# Altium PCB touch-2ch-v4.PcbDoc (part 8 of 8)
Units mm, origin at the board's own origin, x right, y up, seen from the top; angles counter-clockwise.
Board outline 39.88 x 84.36 mm, 2 copper layers (Top Layer, Bottom Layer); 1029 components, 40 nets, 2604 pads, 0 vias.
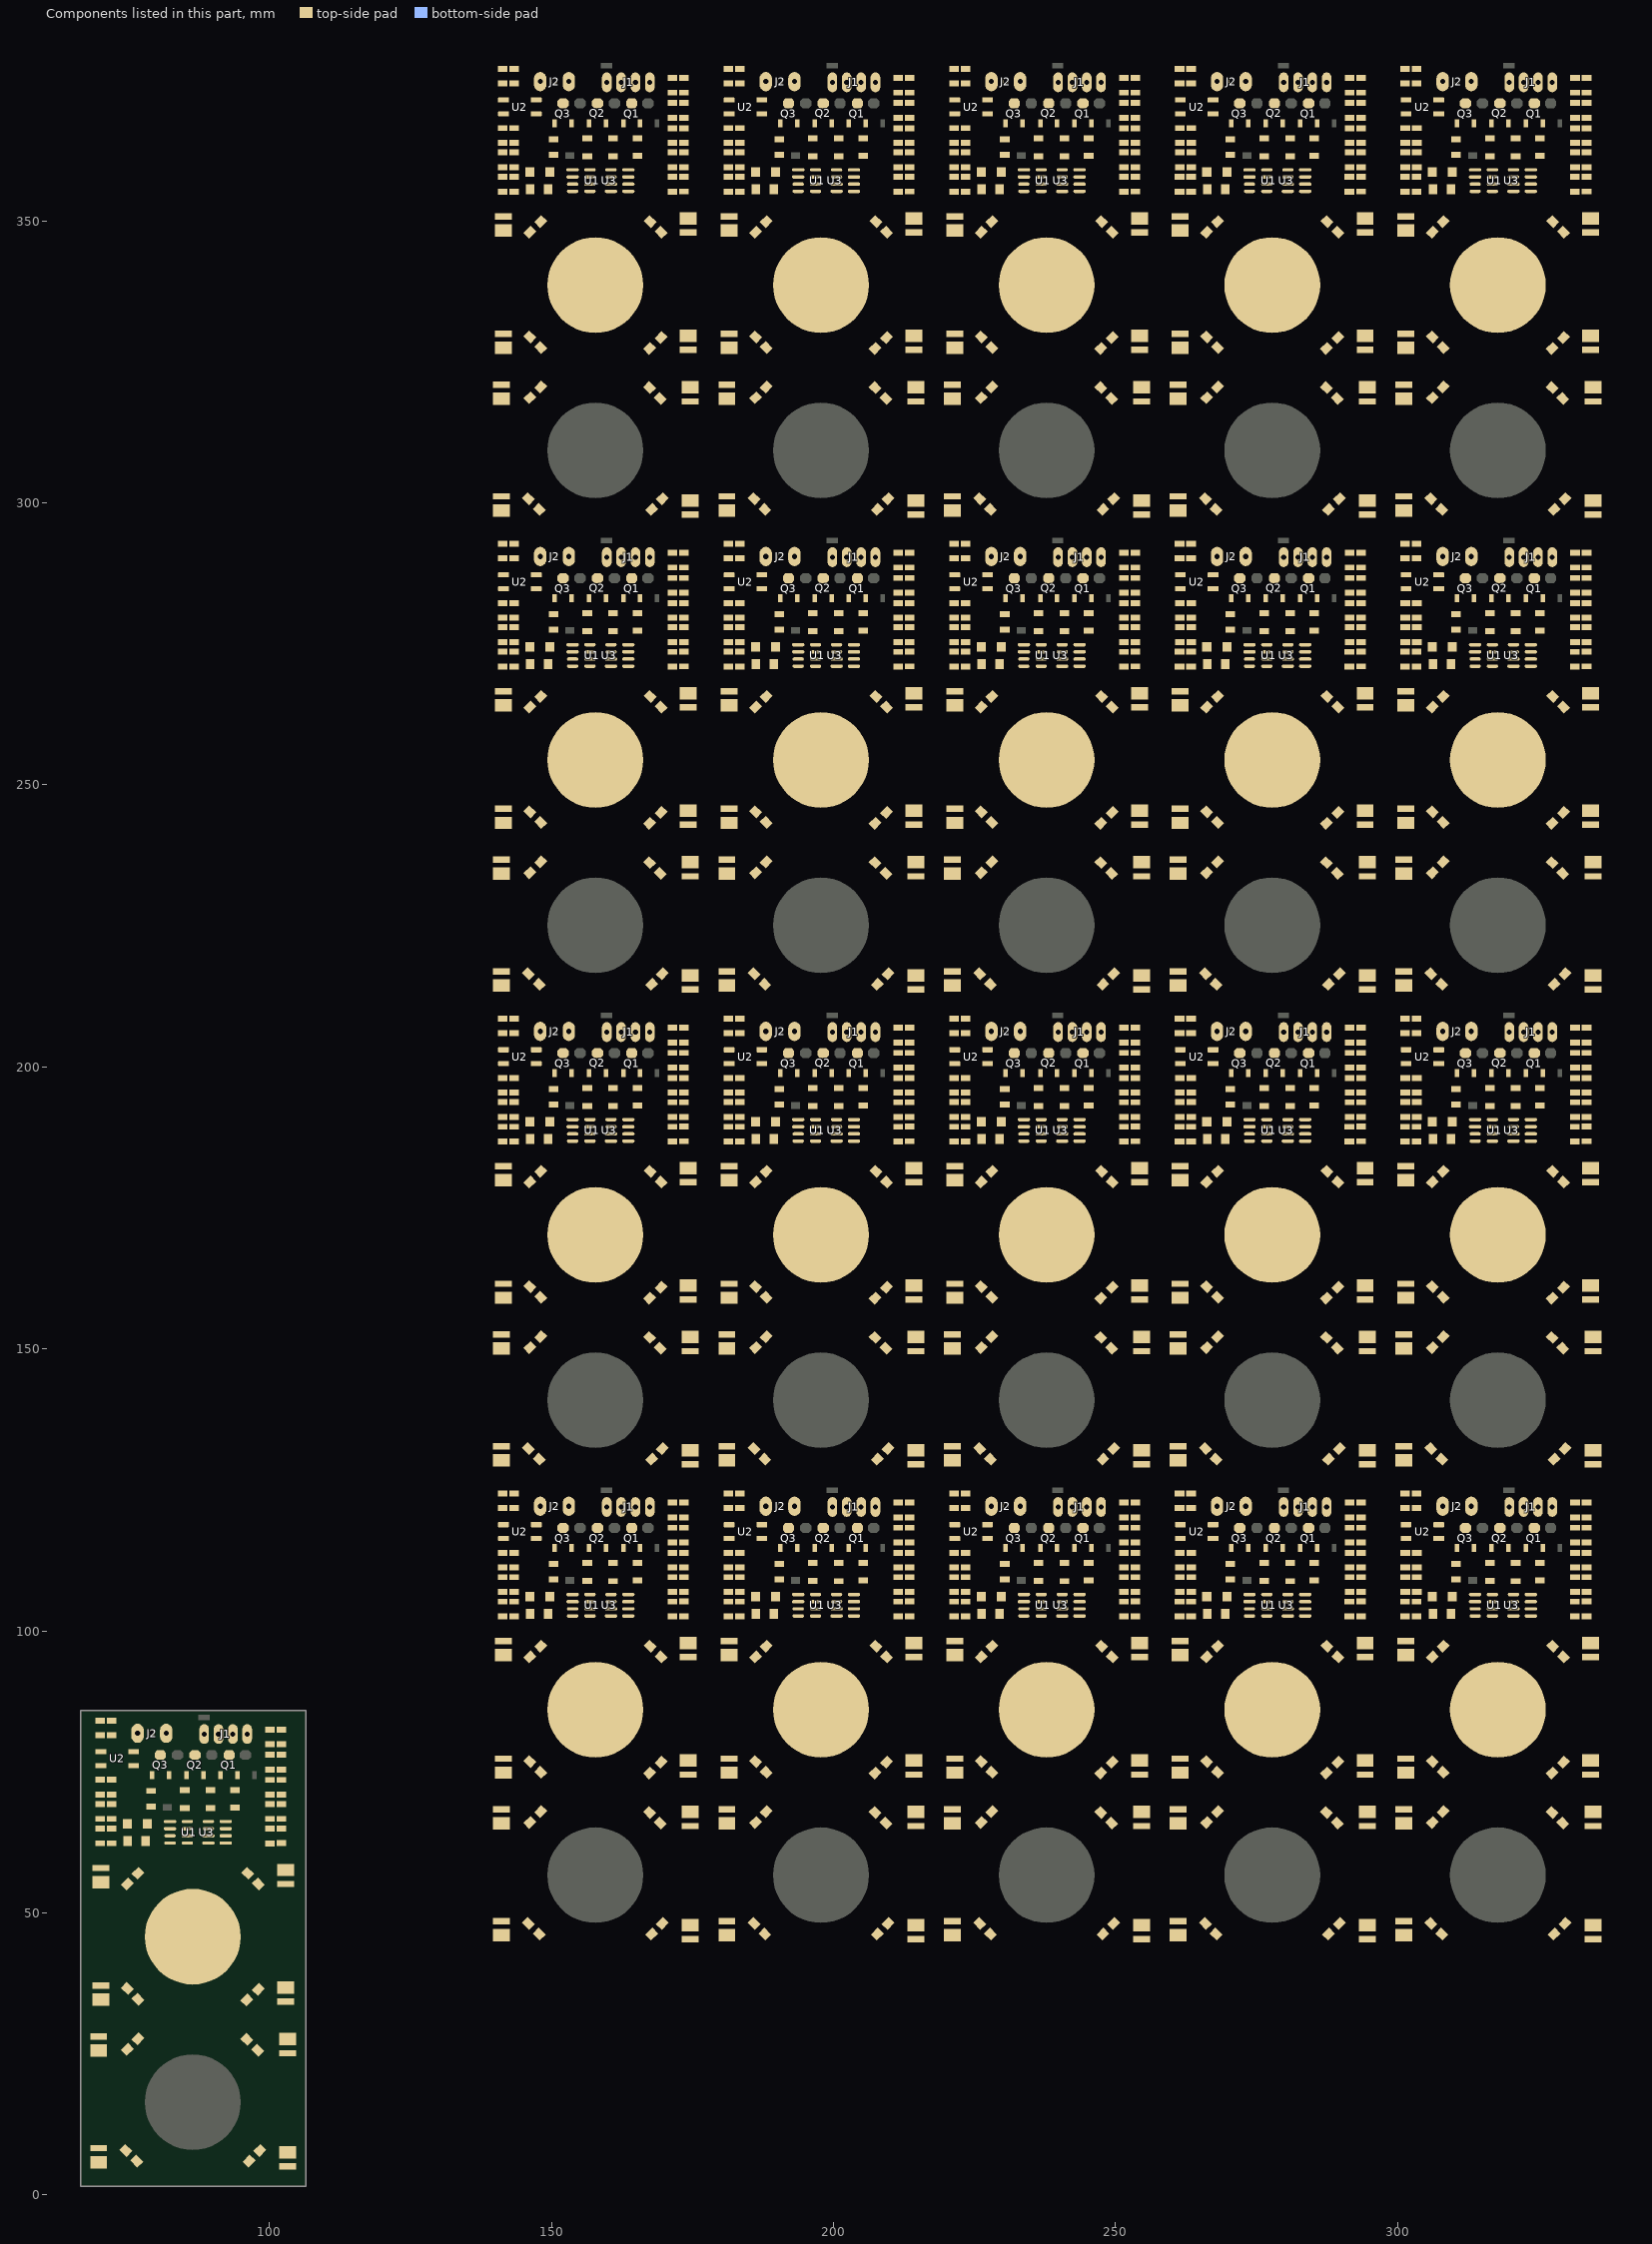
[diagram p8: the components of this part, seen from the top]

## Polygon pours and split planes (outlines as drawn) (continued)
no net on Top Layer "NONET_L-01_P-001" (hatched 90Degree grid 0.8 track 0.5, pour order 93): 328.043,189.85 328.043,187.092 323.852,182.901 323.852,178.583 326.773,175.662 326.773,166.265 321.058,160.55 321.058,152.168 328.043,145.182 328.043,135.784 323.195,130.936 312.654,130.936 307.723,135.866 307.723,145.69 315.216,153.183 315.216,157.501 307.469,165.248 307.469,174.519 316.779,183.829 316.418,186.88 305.542,175.812 305.542,164.337 311.13,158.749 311.13,152.145 305.542,146.557 305.542,132.841 308.336,130.047 325.862,130.047 329.926,134.111 329.926,146.43 324.465,151.891 324.465,158.368 330.942,164.845 330.942,175.812 326.265,180.488 326.265,183.283 329.059,186.076 329.059,191.029 329.186,191.156
no net on Top Layer "NONET_L-01_P-001" (hatched 90Degree grid 0.8 track 0.5, pour order 92): 288.044,189.85 288.044,187.092 283.853,182.901 283.853,178.583 286.774,175.662 286.774,166.265 281.059,160.55 281.059,152.168 288.044,145.182 288.044,135.784 283.195,130.936 272.654,130.936 267.724,135.866 267.723,145.69 275.217,153.183 275.217,157.501 267.47,165.248 267.47,174.519 276.779,183.829 276.418,186.88 265.542,175.812 265.542,164.337 271.13,158.749 271.13,152.145 265.542,146.557 265.542,132.841 268.336,130.047 285.862,130.047 289.926,134.111 289.926,146.43 284.465,151.891 284.465,158.368 290.942,164.845 290.942,175.812 286.266,180.488 286.266,183.283 289.06,186.076 289.06,191.029 289.187,191.156
no net on Top Layer "NONET_L-01_P-001" (hatched 90Degree grid 0.8 track 0.5, pour order 91): 248.043,189.85 248.043,187.092 243.852,182.901 243.852,178.583 246.773,175.662 246.773,166.265 241.058,160.55 241.058,152.168 248.043,145.182 248.043,135.784 243.195,130.936 232.654,130.936 227.723,135.866 227.723,145.69 235.216,153.183 235.216,157.501 227.469,165.248 227.469,174.519 236.779,183.829 236.418,186.88 225.542,175.812 225.542,164.337 231.13,158.749 231.13,152.145 225.542,146.557 225.542,132.841 228.336,130.047 245.862,130.047 249.926,134.111 249.926,146.43 244.465,151.891 244.465,158.368 250.942,164.845 250.942,175.812 246.265,180.488 246.265,183.283 249.059,186.076 249.059,191.029 249.186,191.156
no net on Top Layer "NONET_L-01_P-001" (hatched 90Degree grid 0.8 track 0.5, pour order 90): 208.044,189.85 208.044,187.092 203.853,182.901 203.853,178.583 206.774,175.662 206.774,166.265 201.059,160.55 201.059,152.168 208.044,145.182 208.044,135.784 203.195,130.936 192.654,130.936 187.723,135.866 187.723,145.69 195.216,153.183 195.216,157.501 187.47,165.248 187.47,174.519 196.779,183.829 196.418,186.88 185.542,175.812 185.542,164.337 191.13,158.749 191.13,152.145 185.542,146.557 185.542,132.841 188.336,130.047 205.862,130.047 209.926,134.111 209.926,146.43 204.465,151.891 204.465,158.368 210.942,164.845 210.942,175.812 206.265,180.488 206.265,183.283 209.06,186.076 209.06,191.029 209.187,191.156
no net on Top Layer "NONET_L-01_P-001" (hatched 90Degree grid 0.8 track 0.5, pour order 89): 168.044,189.85 168.044,187.092 163.853,182.901 163.853,178.583 166.774,175.662 166.774,166.265 161.059,160.55 161.059,152.168 168.044,145.182 168.044,135.784 163.195,130.936 152.654,130.936 147.723,135.866 147.723,145.69 155.216,153.183 155.216,157.501 147.47,165.248 147.47,174.519 156.779,183.829 156.418,186.88 145.542,175.812 145.542,164.337 151.13,158.749 151.13,152.145 145.542,146.557 145.542,132.841 148.336,130.047 165.862,130.047 169.926,134.111 169.926,146.43 164.465,151.891 164.465,158.368 170.942,164.845 170.942,175.812 166.265,180.488 166.265,183.283 169.06,186.076 169.06,191.029 169.187,191.156
no net on Top Layer "NONET_L-01_P-001" (hatched 90Degree grid 0.8 track 0.5, pour order 88): 328.043,105.65 328.043,102.892 323.852,98.701 323.852,94.383 326.773,91.462 326.773,82.065 321.058,76.35 321.058,67.968 328.043,60.982 328.043,51.584 323.195,46.736 312.654,46.736 307.723,51.667 307.723,61.49 315.216,68.983 315.216,73.301 307.469,81.048 307.469,90.319 316.779,99.629 316.418,102.68 305.542,91.612 305.542,80.137 311.13,74.549 311.13,67.945 305.542,62.357 305.542,48.641 308.336,45.847 325.862,45.847 329.926,49.911 329.926,62.23 324.465,67.691 324.465,74.168 330.942,80.645 330.942,91.612 326.265,96.288 326.265,99.083 329.059,101.876 329.059,106.829 329.186,106.956
no net on Top Layer "NONET_L-01_P-001" (hatched 90Degree grid 0.8 track 0.5, pour order 87): 288.044,105.65 288.044,102.892 283.853,98.701 283.853,94.383 286.774,91.462 286.774,82.065 281.059,76.35 281.059,67.968 288.044,60.982 288.044,51.584 283.195,46.736 272.654,46.736 267.724,51.667 267.723,61.49 275.217,68.983 275.217,73.301 267.47,81.048 267.47,90.319 276.779,99.629 276.418,102.68 265.542,91.612 265.542,80.137 271.13,74.549 271.13,67.945 265.542,62.357 265.542,48.641 268.336,45.847 285.862,45.847 289.926,49.911 289.926,62.23 284.465,67.691 284.465,74.168 290.942,80.645 290.942,91.612 286.266,96.288 286.266,99.083 289.06,101.876 289.06,106.829 289.187,106.956
no net on Top Layer "NONET_L-01_P-001" (hatched 90Degree grid 0.8 track 0.5, pour order 86): 248.043,105.65 248.043,102.892 243.852,98.701 243.852,94.383 246.773,91.462 246.773,82.065 241.058,76.35 241.058,67.968 248.043,60.982 248.043,51.584 243.195,46.736 232.654,46.736 227.723,51.667 227.723,61.49 235.216,68.983 235.216,73.301 227.469,81.048 227.469,90.319 236.779,99.629 236.418,102.68 225.542,91.612 225.542,80.137 231.13,74.549 231.13,67.945 225.542,62.357 225.542,48.641 228.336,45.847 245.862,45.847 249.926,49.911 249.926,62.23 244.465,67.691 244.465,74.168 250.942,80.645 250.942,91.612 246.265,96.288 246.265,99.083 249.059,101.876 249.059,106.829 249.186,106.956
no net on Top Layer "NONET_L-01_P-001" (hatched 90Degree grid 0.8 track 0.5, pour order 85): 208.044,105.65 208.044,102.892 203.853,98.701 203.853,94.383 206.774,91.462 206.774,82.065 201.059,76.35 201.059,67.968 208.044,60.982 208.044,51.584 203.195,46.736 192.654,46.736 187.723,51.667 187.723,61.49 195.216,68.983 195.216,73.301 187.47,81.048 187.47,90.319 196.779,99.629 196.418,102.68 185.542,91.612 185.542,80.137 191.13,74.549 191.13,67.945 185.542,62.357 185.542,48.641 188.336,45.847 205.862,45.847 209.926,49.911 209.926,62.23 204.465,67.691 204.465,74.168 210.942,80.645 210.942,91.612 206.265,96.288 206.265,99.083 209.06,101.876 209.06,106.829 209.187,106.956
no net on Top Layer "NONET_L-01_P-001" (hatched 90Degree grid 0.8 track 0.5, pour order 84): 168.044,105.65 168.044,102.892 163.853,98.701 163.853,94.383 166.774,91.462 166.774,82.065 161.059,76.35 161.059,67.968 168.044,60.982 168.044,51.584 163.195,46.736 152.654,46.736 147.723,51.667 147.723,61.49 155.216,68.983 155.216,73.301 147.47,81.048 147.47,90.319 156.779,99.629 156.418,102.68 145.542,91.612 145.542,80.137 151.13,74.549 151.13,67.945 145.542,62.357 145.542,48.641 148.336,45.847 165.862,45.847 169.926,49.911 169.926,62.23 164.465,67.691 164.465,74.168 170.942,80.645 170.942,91.612 166.265,96.288 166.265,99.083 169.06,101.876 169.06,106.829 169.187,106.956
GND on Top Layer "NONET_L-01_P-001" (hatched 90Degree grid 0.8 track 0.5, pour order 28): 96.67,65.391 96.67,62.633 92.479,58.442 92.479,54.124 95.4,51.203 95.4,41.806 89.685,36.091 89.685,27.709 96.67,20.723 96.67,11.325 91.821,6.477 81.28,6.477 76.349,11.408 76.349,21.231 83.842,28.724 83.842,33.042 76.096,40.789 76.096,50.06 85.405,59.37 85.044,62.421 74.168,51.353 74.168,39.878 79.756,34.29 79.756,27.686 74.168,22.098 74.168,8.382 76.962,5.588 94.488,5.588 98.552,9.652 98.552,21.971 93.091,27.432 93.091,33.909 99.568,40.386 99.568,51.353 94.891,56.029 94.891,58.824 97.686,61.617 97.686,66.57 97.813,66.697
GND on Top Layer "NONET_L01_P024" (hatched 90Degree grid 0.5 track 0.2, shelved, pour order 24): 75.946,71.374 115.697,71.374 115.57,71.247 115.57,9.779 76.073,9.779

## Keep-outs
Keep-Out Layer:
  lines w0.2: 66.548,1.651 66.548,85.884 106.426,85.884 106.426,1.651 66.548,1.651 ; 137.922,41.91 137.922,126.143 177.8,126.143 177.8,41.91 137.922,41.91 ; 137.922,126.11 137.922,210.343 177.8,210.343 177.8,126.11 137.922,126.11 ; 137.922,210.31 137.922,294.543 177.8,294.543 177.8,210.31 137.922,210.31 ; 137.922,294.51 137.922,378.743 177.8,378.743 177.8,294.51 137.922,294.51 ; 177.922,41.91 177.922,126.143 217.8,126.143 217.8,41.91 177.922,41.91 ; 177.922,126.11 177.922,210.343 217.8,210.343 217.8,126.11 177.922,126.11 ; 177.922,210.31 177.922,294.543 217.8,294.543 217.8,210.31 177.922,210.31 ; 177.922,294.51 177.922,378.743 217.8,378.743 217.8,294.51 177.922,294.51 ; 217.922,41.91 217.922,126.143 257.8,126.143 257.8,41.91 217.922,41.91 ; 217.922,126.11 217.922,210.343 257.8,210.343 257.8,126.11 217.922,126.11 ; 217.922,210.31 217.922,294.543 257.8,294.543 257.8,210.31 217.922,210.31 ; 217.922,294.51 217.922,378.743 257.8,378.743 257.8,294.51 217.922,294.51 ; 257.922,41.91 257.922,126.143 297.8,126.143 297.8,41.91 257.922,41.91 ; 257.922,126.11 257.922,210.343 297.8,210.343 297.8,126.11 257.922,126.11 ; 257.922,210.31 257.922,294.543 297.8,294.543 297.8,210.31 257.922,210.31 ; 257.922,294.51 257.922,378.743 297.8,378.743 297.8,294.51 257.922,294.51 ; 297.922,41.91 297.922,126.143 337.8,126.143 337.8,41.91 297.922,41.91 ; 297.922,126.11 297.922,210.343 337.8,210.343 337.8,126.11 297.922,126.11 ; 297.922,210.31 297.922,294.543 337.8,294.543 337.8,210.31 297.922,210.31 ; 297.922,294.51 297.922,378.743 337.8,378.743 337.8,294.51 297.922,294.51

## Silkscreen, mask and mechanical layers (free items; w line width, h text height)
Top Overlay:
  drawing of 189 lines, arcs and shapes, not listed
  text "Smart_Sperlus" at 151.638,323.466 h2
  text "Smart_Sperlus" at 191.638,323.466 h2
  text "Smart_Sperlus" at 231.638,323.466 h2
  text "Smart_Sperlus" at 271.638,323.466 h2
  text "Smart_Sperlus" at 311.638,323.466 h2
  text "Smart_Sperlus" at 151.638,239.266 h2
  text "Smart_Sperlus" at 191.638,239.266 h2
  text "Smart_Sperlus" at 231.638,239.266 h2
  text "Smart_Sperlus" at 271.638,239.266 h2
  text "Smart_Sperlus" at 311.638,239.266 h2
  text "Smart_Sperlus" at 151.638,155.066 h2
  text "Smart_Sperlus" at 191.638,155.066 h2
  text "Smart_Sperlus" at 231.638,155.066 h2
  text "Smart_Sperlus" at 271.638,155.066 h2
  text "Smart_Sperlus" at 311.638,155.066 h2
  text "Smart_Sperlus" at 151.638,70.866 h2
  text "Smart_Sperlus" at 191.638,70.866 h2
  text "Smart_Sperlus" at 231.638,70.866 h2
  text "Smart_Sperlus" at 271.638,70.866 h2
  text "Smart_Sperlus" at 311.638,70.866 h2
  text "Smart_Sperlus" at 80.264,30.607 h2
Bottom Overlay:
  drawing of 2184 lines, arcs and shapes, not listed

## Text inside footprints (layer, text, board x,y; h text height)
U2: Top Overlay "+" at 141.075,372.256 h2; Top Overlay "-" at 141.71,367.557 h2 r90
U2: Top Overlay "+" at 181.074,372.256 h2; Top Overlay "-" at 181.709,367.557 h2 r90
U2: Top Overlay "+" at 221.074,372.256 h2; Top Overlay "-" at 221.709,367.557 h2 r90
U2: Top Overlay "+" at 261.075,372.256 h2; Top Overlay "-" at 261.71,367.557 h2 r90
U2: Top Overlay "+" at 301.074,372.256 h2; Top Overlay "-" at 301.709,367.557 h2 r90
U2: Top Overlay "+" at 141.075,288.057 h2; Top Overlay "-" at 141.71,283.358 h2 r90
U2: Top Overlay "+" at 181.074,288.057 h2; Top Overlay "-" at 181.709,283.358 h2 r90
U2: Top Overlay "+" at 221.074,288.057 h2; Top Overlay "-" at 221.709,283.358 h2 r90
U2: Top Overlay "+" at 261.075,288.057 h2; Top Overlay "-" at 261.71,283.358 h2 r90
U2: Top Overlay "+" at 301.074,288.057 h2; Top Overlay "-" at 301.709,283.358 h2 r90
U2: Top Overlay "+" at 141.075,203.857 h2; Top Overlay "-" at 141.71,199.158 h2 r90
U2: Top Overlay "+" at 181.074,203.857 h2; Top Overlay "-" at 181.709,199.158 h2 r90
U2: Top Overlay "+" at 221.074,203.857 h2; Top Overlay "-" at 221.709,199.158 h2 r90
U2: Top Overlay "+" at 261.075,203.857 h2; Top Overlay "-" at 261.71,199.158 h2 r90
U2: Top Overlay "+" at 301.074,203.857 h2; Top Overlay "-" at 301.709,199.158 h2 r90
U2: Top Overlay "+" at 141.075,119.657 h2; Top Overlay "-" at 141.71,114.958 h2 r90
U2: Top Overlay "+" at 181.074,119.657 h2; Top Overlay "-" at 181.709,114.958 h2 r90
U2: Top Overlay "+" at 221.074,119.657 h2; Top Overlay "-" at 221.709,114.958 h2 r90
U2: Top Overlay "+" at 261.075,119.657 h2; Top Overlay "-" at 261.71,114.958 h2 r90
U2: Top Overlay "+" at 301.074,119.657 h2; Top Overlay "-" at 301.709,114.958 h2 r90
U2: Top Overlay "+" at 69.701,79.398 h2; Top Overlay "-" at 70.336,74.699 h2 r90